# Allegro board SSOM_K1_Layout.brd (continued)
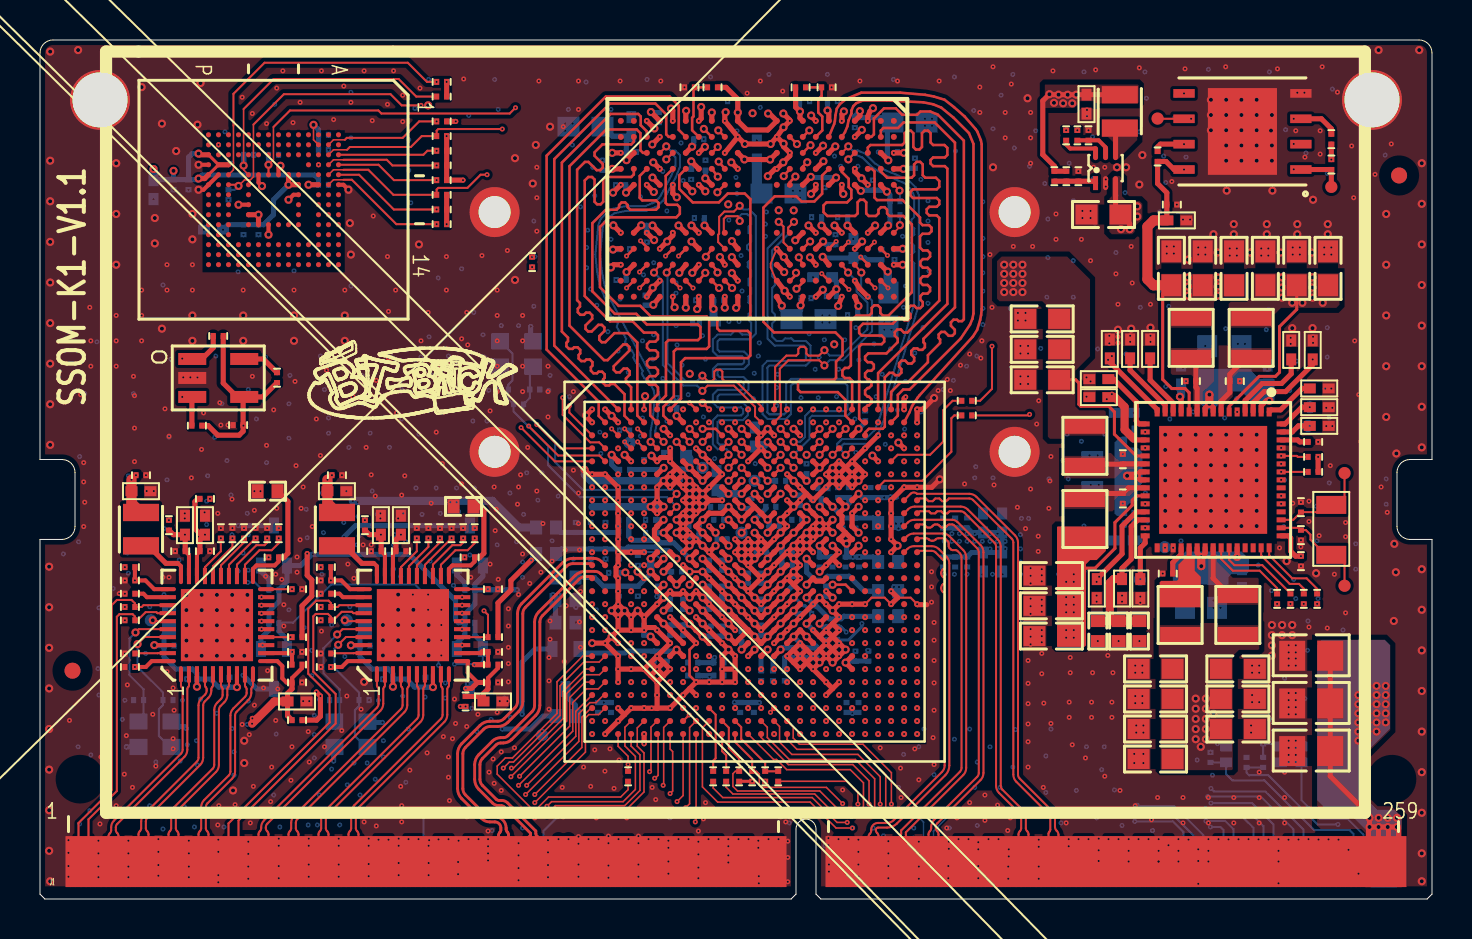
[diagram p0: board, top side]
## Routing (per net, layer and track width the routed paths; a pad name or vN(x,y) marks a point on that pad's centre or on a via; arc(x,y) is an arc through that point) (continued)
LCD_PWR_EN_1V8: length 11.3
  TOP w0.076: U1.AF8 32.16,5.18 v1(31.85,4.88)
  L3 w0.102: v1(31.85,4.88) v2(31.62,4.65)
  L5 w0.102: v2(36.68,1.83) 36.68,1.93 35.38,3.23 32.38,3.23 31.55,4.06 31.55,4.57 v2(31.62,4.65)
  L6 w0.102: v4(36.68,1.47) v2(36.68,1.83)
  BOTTOM w0.102: J1.142 v4(36.68,1.47)
LCD_RST_1V8: length 13
  TOP w0.076: U1.AE9 32.48,8.58 32.48,4.77 v1(32.28,4.57)
  L3 w0.102: v1(32.28,4.57) v2(32.05,4.34)
  L5 w0.102: v2(37.17,1.42) 37.17,1.97 35.74,3.4 32.52,3.4 32.05,3.87 v2(32.05,4.34)
  L6 w0.102: v4(37.17,1.07) v2(37.17,1.42)
  BOTTOM w0.102: J1.144 v4(37.17,1.07)
LCD_VCC5V0: length 3.2
  TOP w0.254: C158.1 55.51,25.98 56.66,24.83 U5.13
MIPI_DSI1_CLKN: length 13.9
  TOP w0.102: J1.111 v1(28.93,3)
  L3 w0.102: v8(27.61,13.46) 27.56,13.41 27.39,13.41 25.8,11.82 arc(25.69,11.66) 25.65,11.46 25.65,7.53 arc(25.69,7.33) 25.8,7.17 28.98,3.99 arc(29.04,3.9) 29.06,3.8 29.06,3.21 arc(29.04,3.14) 29,3.07 v1(28.93,3)
MIPI_DSI1_CLKP: length 14.2
  TOP w0.102: J1.113 v1(29.42,3)
  L3 w0.102: v8(28.26,13.46) 28.11,13.31 arc(27.96,13.21) 27.78,13.18 27.49,13.18 25.97,11.66 arc(25.91,11.57) 25.89,11.46 25.89,7.53 arc(25.91,7.42) 25.97,7.33 29.14,4.16 arc(29.25,3.99) 29.29,3.8 29.29,3.21 arc(29.31,3.14) 29.35,3.07 v1(29.42,3)
MIPI_DSI1_D0N: length 14.5
  TOP w0.102: J1.123 v1(31.93,3)
  L3 w0.102: v8(29.56,12.16) 29.55,12.16 29.55,12.06 29.21,11.71 arc(29.12,11.65) 29.01,11.63 27.92,11.63 arc(27.73,11.59) 27.56,11.48 27.12,11.05 arc(27.01,10.88) 26.97,10.69 26.97,8.19 arc(27.01,7.99) 27.12,7.83 31.46,3.49 arc(31.59,3.4) 31.75,3.37 31.93,3.37 arc(32.02,3.34) 32.06,3.25 32.06,3.21 arc(32.04,3.14) 32,3.07 v1(31.93,3)
MIPI_DSI1_D0P: length 14.8
  TOP w0.102: J1.125 v1(32.42,3)
  L3 w0.102: v1(32.42,3) 32.35,3.07 arc(32.31,3.14) 32.29,3.21 32.29,3.25 arc(32.19,3.5) 31.93,3.61 31.75,3.61 arc(31.68,3.62) 31.62,3.66 27.29,7.99 arc(27.23,8.08) 27.21,8.19 27.21,10.69 arc(27.23,10.79) 27.29,10.88 27.73,11.32 arc(27.82,11.38) 27.92,11.4 29.01,11.4 arc(29.21,11.44) 29.37,11.55 29.63,11.8 arc(29.71,11.86) 29.8,11.88 29.82,11.88 arc(29.91,11.89) 29.99,11.95 v8(30.21,12.16)
MIPI_DSI1_D1N: length 15
  TOP w0.102: J1.117 v1(30.42,3)
  L3 w0.102: v8(29.56,12.81) 29.51,12.76 29.28,12.76 arc(29.08,12.72) 28.92,12.61 28.73,12.42 arc(28.64,12.37) 28.54,12.34 27.62,12.34 arc(27.42,12.31) 27.26,12.2 26.46,11.4 arc(26.35,11.24) 26.31,11.04 26.31,7.88 arc(26.35,7.69) 26.46,7.52 30.47,3.51 arc(30.53,3.43) 30.55,3.32 30.55,3.2 arc(30.54,3.13) 30.49,3.07 v1(30.42,3)
MIPI_DSI1_D1P: length 15.3
  TOP w0.102: J1.119 v1(30.93,3)
  L3 w0.102: v8(30.21,12.81) 30.06,12.66 arc(29.91,12.56) 29.73,12.53 29.28,12.53 arc(29.17,12.5) 29.08,12.44 28.9,12.26 arc(28.73,12.15) 28.54,12.11 27.62,12.11 arc(27.51,12.09) 27.42,12.03 26.63,11.24 arc(26.57,11.15) 26.55,11.04 26.55,7.88 arc(26.57,7.78) 26.63,7.69 30.64,3.68 arc(30.75,3.52) 30.78,3.32 30.78,3.23 arc(30.8,3.14) 30.85,3.07 v1(30.93,3)
MIPI_DSI1_D2N: length 14.6
  TOP w0.102: J1.105 v1(27.42,3)
  L3 w0.102: v1(27.42,3) 27.5,3.07 arc(27.54,3.13) 27.55,3.21 27.55,4.39 arc(27.53,4.49) 27.47,4.58 25.19,6.86 arc(25.08,7.03) 25.04,7.22 25.04,11.83 arc(25.08,12.02) 25.19,12.19 26.93,13.92 arc(27.08,14.02) 27.26,14.06 27.56,14.06 v8(27.61,14.11)
MIPI_DSI1_D2P: length 15
  TOP w0.102: J1.107 v1(27.93,3)
  L3 w0.102: v8(28.26,14.11) 28.11,13.96 arc(27.96,13.86) 27.78,13.83 27.26,13.83 arc(27.17,13.81) 27.1,13.76 25.36,12.02 arc(25.3,11.93) 25.28,11.83 25.28,7.22 arc(25.3,7.12) 25.36,7.03 27.64,4.75 arc(27.75,4.58) 27.79,4.39 27.79,3.22 arc(27.8,3.14) 27.85,3.07 v1(27.93,3)
MIPI_DSI1_D3N: length 16
  TOP w0.102: J1.99 v1(25.93,3)
  L3 w0.102: v8(27.61,14.76) 27.56,14.71 26.95,14.71 arc(26.76,14.67) 26.59,14.56 24.53,12.5 arc(24.42,12.34) 24.38,12.14 24.38,7.02 arc(24.42,6.82) 24.53,6.66 26.8,4.39 arc(26.87,4.22) 26.8,4.04 26.08,3.32 26.08,3.23 arc(26.07,3.16) 26.03,3.1 v1(25.93,3)
MIPI_DSI1_D3P: length 16.4
  TOP w0.102: J1.101 v1(26.42,3)
  L3 w0.102: v8(28.26,14.76) 28.11,14.61 arc(27.96,14.51) 27.78,14.48 26.95,14.48 arc(26.85,14.45) 26.76,14.39 24.7,12.34 arc(24.64,12.25) 24.62,12.14 24.62,7.02 arc(24.64,6.91) 24.7,6.82 26.96,4.56 arc(27.1,4.22) 26.96,3.87 26.31,3.23 26.35,3.07 v1(26.42,3)
MIPI_LCD_ADC_1V8: length 39.5
  L3 w0.102: v2(64.57,5.44) 64.62,5.49 64.62,12.5 66.09,13.97 66.09,19.96 65.38,20.68 62.55,20.68 v1(62.06,20.18)
  L5 w0.102: v2(64.57,5.44) 63.91,5.44 59.87,1.4 50.11,1.4 v2(48.54,2.97)
  L6 w0.102: v4(48.16,2.97) v2(48.54,2.97)
  BOTTOM w0.102: v4(48.16,2.97) 48.17,2.96 J1.180
ONKEYN: length 18.5
  L3 w0.102: v2(62.48,21.64) 62.34,21.78 v1(62.06,21.78)
  L6 w0.102: v4(58.52,7.34) 59.41,7.34 59.79,7.72 59.79,9.75 64.31,14.27 64.31,19.81 v2(62.48,21.64)
PA_SHUTDOWN: length 27.9
  L3 w0.102: v2(44.1,13.86) 43.86,14.11 v1(43.86,14.11)
  L6 w0.102: v2(44.1,13.86) 44.24,14.01 v3(44.45,14.01)
  L7 w0.102: v6(58.55,5.54) 57.28,6.81 57.28,10.92 54.19,14.01 v3(44.45,14.01)
  BOTTOM w0.102: v6(58.55,5.54) 58.7,5.38 61.26,5.38 63.17,3.47 J1.240
PCIEB_CLKREQN: length 17.1
  TOP w0.076: v1(24.33,5.69) 26.79,8.15 26.79,9.39 U1.AC1
  L3 w0.076: v1(24.33,5.69) 23.75,5.11 23.75,2.63 24.4,1.98 29.67,1.98 v2(30.12,1.52)
  L6 w0.102: v2(30.12,1.52) 30.17,1.47 v4(30.17,1.14)
  BOTTOM w0.102: J1.116 v4(30.17,1.14)
PCIEB_PERSTN: length 16.8
  TOP w0.076: v1(24.74,5.23) 27.09,7.59 27.09,9.1 27.55,9.56 U1.AD1
  L3 w0.076: v1(24.74,5.23) 24.16,4.65 24.16,2.85 24.72,2.29 30.53,2.29 31.17,1.64 v2(31.17,1.22)
  L6 w0.102: v2(31.17,1.22) v4(31.17,1.57)
  BOTTOM w0.102: J1.120 v4(31.17,1.57)
PCIEB_REFCLK_N: length 19.4
  TOP w0.102: U1.L26 43.91,18.06 44.3,18.06 arc(44.38,18.05) 44.44,18 44.46,17.99 arc(44.52,17.95) 44.59,17.93 44.64,17.93 arc(44.71,17.95) 44.77,17.99 44.79,18 arc(44.85,18.05) 44.92,18.06 45.16,18.06 arc(45.23,18.05) 45.29,18 45.4,17.9 arc(45.43,17.86) 45.44,17.81 45.44,17.74 45.44,17.66 arc(45.44,17.61) 45.47,17.57 45.54,17.5 arc(45.58,17.47) 45.63,17.46 45.78,17.46 arc(45.83,17.45) 45.87,17.43 46,17.3 arc(46.06,17.21) 46.08,17.11 46.08,6.57 arc(46.05,6.46) 46,6.37 43.06,3.43 43.06,3.26 arc(43.04,3.19) 43,3.12 42.98,3.11 arc(42.94,3.04) 42.92,2.96 J1.159
PCIEB_REFCLK_P: length 20.3
  TOP w0.102: J1.161 43.42,2.92 arc(43.41,3) 43.37,3.07 43.35,3.08 arc(43.31,3.15) 43.29,3.22 43.29,3.34 46.16,6.21 arc(46.27,6.37) 46.31,6.57 46.31,17.11 arc(46.27,17.3) 46.16,17.47 45.46,18.17 arc(45.32,18.26) 45.16,18.29 43.68,18.29 arc(43.5,18.26) 43.35,18.16 U1.L25
PCIEB_RX0N: length 20.4
  TOP w0.102: J1.165 44.42,3.24 arc(44.44,3.32) 44.48,3.39 44.5,3.4 arc(44.54,3.47) 44.56,3.55 44.56,3.61 arc(44.6,3.8) 44.71,3.97 46.86,6.12 arc(46.92,6.21) 46.94,6.31 46.94,17.36 arc(46.92,17.47) 46.86,17.56 45.71,18.71 arc(45.66,18.74) 45.61,18.75 45.47,18.75 arc(45.43,18.74) 45.39,18.72 45.35,18.67 45.3,18.62 arc(45.26,18.6) 45.22,18.59 45.11,18.59 arc(45.07,18.6) 45.03,18.62 44.99,18.67 44.94,18.72 arc(44.91,18.74) 44.86,18.75 44.75,18.75 arc(44.71,18.74) 44.67,18.72 44.63,18.67 44.58,18.62 arc(44.55,18.6) 44.5,18.59 44.39,18.59 arc(44.35,18.6) 44.31,18.62 44.27,18.67 44.22,18.72 arc(44.19,18.74) 44.14,18.75 43.99,18.75 arc(43.94,18.74) 43.9,18.71 43.85,18.66 U1.K26
PCIEB_RX0P: length 21.3
  TOP w0.102: J1.167 44.92,3.24 arc(44.91,3.32) 44.87,3.39 44.85,3.4 arc(44.81,3.47) 44.79,3.55 44.79,3.61 arc(44.81,3.71) 44.87,3.8 47.02,5.95 arc(47.13,6.12) 47.17,6.31 47.17,17.36 arc(47.13,17.56) 47.02,17.72 45.87,18.87 arc(45.75,18.95) 45.61,18.98 43.72,18.98 arc(43.54,18.95) 43.39,18.85 U1.K25
PCIEB_RX1N: length 18.8
  TOP w0.102: U1.M26 43.92,17.43 44.59,17.43 arc(44.69,17.41) 44.78,17.35 45.17,16.96 arc(45.22,16.89) 45.23,16.8 45.23,16.7 arc(45.21,16.6) 45.15,16.51 45.12,16.48 arc(45.08,16.41) 45.06,16.32 45.06,16.3 arc(45.08,16.22) 45.12,16.15 45.17,16.1 arc(45.22,16.03) 45.23,15.95 45.23,15.93 arc(45.22,15.84) 45.17,15.77 45.12,15.73 arc(45.08,15.66) 45.06,15.57 45.06,15.55 arc(45.08,15.47) 45.12,15.4 45.15,15.37 arc(45.21,15.28) 45.23,15.18 45.23,6.69 arc(45.2,6.51) 45.1,6.36 42.68,3.94 arc(42.53,3.84) 42.36,3.81 41.91,3.81 arc(41.66,3.71) 41.56,3.46 41.56,3.42 arc(41.54,3.34) 41.5,3.27 41.48,3.26 arc(41.44,3.19) 41.42,3.11 J1.153
PCIEB_RX1P: length 19.7
  TOP w0.102: J1.155 41.92,3.15 arc(41.91,3.23) 41.87,3.3 41.85,3.31 arc(41.81,3.38) 41.79,3.45 41.79,3.46 arc(41.83,3.54) 41.91,3.58 42.36,3.58 arc(42.62,3.63) 42.84,3.78 45.26,6.2 arc(45.41,6.42) 45.47,6.69 45.47,16.8 arc(45.43,16.98) 45.33,17.13 44.95,17.51 arc(44.78,17.62) 44.59,17.66 43.71,17.66 arc(43.52,17.63) 43.37,17.52 U1.M25
PCIEB_TX0N: length 20.8
  TOP w0.102: J1.177 v1(47.42,3)
  L3 w0.102: v8(41.91,18.01) 41.96,18.06 43.15,18.06 arc(43.25,18.04) 43.33,17.98 43.35,17.97 arc(43.43,17.91) 43.53,17.89 43.59,17.89 arc(43.69,17.91) 43.77,17.97 43.79,17.98 arc(43.87,18.04) 43.98,18.06 44.06,18.06 arc(44.16,18.04) 44.25,17.98 44.26,17.97 arc(44.35,17.91) 44.45,17.89 44.5,17.89 arc(44.6,17.91) 44.69,17.97 44.7,17.98 arc(44.79,18.04) 44.89,18.06 45.39,18.06 arc(45.49,18.04) 45.58,17.98 46.86,16.7 arc(46.92,16.61) 46.94,16.51 46.94,8.29 arc(46.98,8.09) 47.09,7.93 47.47,7.55 arc(47.53,7.46) 47.55,7.35 47.55,3.2 arc(47.53,3.13) 47.49,3.07 v1(47.42,3)
PCIEB_TX0P: length 21.7
  TOP w0.102: J1.179 v1(47.92,3)
  L3 w0.102: v8(41.26,18.01) 41.4,18.16 arc(41.55,18.26) 41.73,18.29 45.39,18.29 arc(45.58,18.25) 45.75,18.14 47.02,16.87 arc(47.13,16.7) 47.17,16.51 47.17,8.29 arc(47.19,8.18) 47.25,8.09 47.63,7.71 arc(47.74,7.55) 47.78,7.35 47.78,3.23 arc(47.8,3.15) 47.85,3.08 v1(47.92,3)
PCIEB_TX1N: length 19.8
  TOP w0.102: J1.171 v1(45.92,3)
  L3 w0.102: v1(45.92,3) 46,3.07 arc(46.04,3.14) 46.06,3.21 46.06,3.28 arc(46.1,3.47) 46.21,3.64 46.66,4.09 arc(46.72,4.17) 46.74,4.28 46.74,7.05 arc(46.72,7.15) 46.66,7.24 46.28,7.62 arc(46.17,7.79) 46.13,7.98 46.13,16.24 arc(46.11,16.35) 46.05,16.44 45.53,16.95 arc(45.44,17.01) 45.34,17.03 44.93,17.03 arc(44.83,17.01) 44.74,16.96 44.73,16.94 arc(44.65,16.89) 44.54,16.87 44.5,16.87 arc(44.4,16.89) 44.32,16.94 44.3,16.96 arc(44.22,17.01) 44.12,17.03 44.03,17.03 arc(43.93,17.01) 43.85,16.96 43.83,16.94 arc(43.75,16.89) 43.65,16.87 43.63,16.87 arc(43.53,16.89) 43.45,16.94 43.43,16.96 arc(43.35,17.01) 43.24,17.03 42.78,17.03 arc(42.59,17.07) 42.42,17.18 42.24,17.37 arc(42.19,17.4) 42.14,17.41 41.96,17.41 v8(41.91,17.36)
PCIEB_TX1P: length 20.7
  TOP w0.102: J1.173 v1(46.42,3)
  L3 w0.102: v8(41.26,17.36) 41.4,17.51 arc(41.55,17.61) 41.73,17.64 42.14,17.64 arc(42.28,17.62) 42.4,17.53 42.59,17.35 arc(42.68,17.29) 42.78,17.27 45.34,17.27 arc(45.53,17.23) 45.7,17.12 46.21,16.6 arc(46.32,16.44) 46.36,16.24 46.36,7.98 arc(46.38,7.88) 46.44,7.79 46.82,7.41 arc(46.93,7.24) 46.97,7.05 46.97,4.28 arc(46.93,4.08) 46.82,3.92 46.37,3.47 arc(46.31,3.38) 46.29,3.28 46.29,3.21 arc(46.31,3.14) 46.35,3.07 v1(46.42,3)
PCIEB_WAKEN: length 17.8
  TOP w0.076: v1(24.74,4.83) 27.27,7.36 27.27,9.06 27.44,9.23 27.93,9.23 U1.AD2
  L3 w0.076: v2(31.7,1.37) 31.7,1.42 30.68,2.44 24.86,2.44 24.36,2.94 24.36,4.45 v1(24.74,4.83)
  L6 w0.102: v2(31.7,1.37) 31.7,1.04 v4(31.67,1.02)
  BOTTOM w0.102: J1.122 v4(31.67,1.02)
PCIEC_CLKREQN: length 34.6
  TOP w0.102: J1.217 v1(57.42,2.98)
  L3 w0.102: v1(57.42,2.98) v2(57.81,2.98) ; v1(41.26,12.81) v2(41.5,12.56)
  L6 w0.102: v3(60.66,3.71) 60.66,3.05 60.4,2.79 57.99,2.79 v2(57.81,2.98) ; v2(41.5,12.56) v3(41.75,12.81)
  L7 w0.102: v3(41.75,12.81) 42.14,13.2 42.14,13.77 43.71,15.34 55.17,15.34 60.66,9.85 v3(60.66,3.71)
PCIEC_PERSTN: length 18
  TOP w0.076: v1(24.28,5.23) 26.94,7.89 26.94,9.28 27.49,9.83 27.81,9.83 28.18,10.21 U1.AC2
  L3 w0.076: v2(30.67,1.47) 30.67,1.68 30.23,2.13 24.53,2.13 23.95,2.72 23.95,4.9 v1(24.28,5.23)
  L6 w0.102: v4(30.67,1.12) v2(30.67,1.47)
  BOTTOM w0.102: J1.118 v4(30.67,1.12)
PCIEC_REFCLK_N: length 25.1
  TOP w0.102: J1.201 v1(53.42,3)
  L3 w0.102: v8(41.91,19.31) 41.96,19.36 42.27,19.36 arc(42.36,19.34) 42.44,19.29 42.46,19.27 arc(42.53,19.22) 42.62,19.2 42.64,19.2 arc(42.72,19.22) 42.79,19.27 42.82,19.3 arc(42.89,19.34) 42.98,19.36 43,19.36 arc(43.08,19.34) 43.16,19.3 43.18,19.27 arc(43.26,19.22) 43.34,19.2 43.36,19.2 arc(43.44,19.22) 43.52,19.27 43.54,19.29 arc(43.62,19.34) 43.71,19.36 46.24,19.36 arc(46.34,19.34) 46.43,19.28 48.4,17.31 arc(48.46,17.22) 48.48,17.11 48.48,8.93 arc(48.52,8.73) 48.63,8.57 53.46,3.74 arc(53.52,3.65) 53.54,3.55 53.54,3.18 arc(53.53,3.12) 53.49,3.06 v1(53.42,3)
PCIEC_REFCLK_P: length 26
  TOP w0.102: J1.203 v1(53.92,3)
  L3 w0.102: v8(41.26,19.31) 41.4,19.46 arc(41.55,19.56) 41.73,19.59 46.24,19.59 arc(46.43,19.55) 46.6,19.44 48.57,17.47 arc(48.68,17.31) 48.72,17.11 48.72,8.93 arc(48.74,8.82) 48.8,8.73 53.62,3.91 arc(53.73,3.74) 53.77,3.55 53.77,3.25 arc(53.79,3.16) 53.84,3.08 v1(53.92,3)
PCIEC_RX0N: length 22.8
  TOP w0.102: U1.H26 43.91,20.01 arc(43.95,20.04) 44,20.05 44.29,20.05 44.36,19.98 44.43,19.91 44.63,19.91 44.7,19.98 44.77,20.05 44.97,20.05 45.04,19.98 45.11,19.91 45.31,19.91 45.38,19.98 45.45,20.05 46.46,20.05 arc(46.56,20.03) 46.65,19.97 48.59,18.04 arc(48.65,17.95) 48.67,17.84 48.67,6.23 arc(48.71,6.04) 48.82,5.87 50.44,4.25 arc(50.49,4.16) 50.52,4.06 50.52,3.47 arc(50.51,3.42) 50.48,3.38 50.46,3.37 arc(50.43,3.32) 50.42,3.27 J1.189
PCIEC_RX0P: length 23.7
  TOP w0.102: J1.191 50.92,3.21 arc(50.9,3.32) 50.84,3.41 50.83,3.42 arc(50.77,3.51) 50.75,3.62 50.75,4.06 arc(50.71,4.25) 50.6,4.42 48.98,6.04 arc(48.92,6.13) 48.9,6.23 48.9,17.84 arc(48.86,18.04) 48.75,18.2 46.82,20.13 arc(46.65,20.25) 46.46,20.28 43.85,20.28 arc(43.69,20.35) 43.53,20.28 U1.H25
PCIEC_RX1N: length 21.2
  TOP w0.102: U1.J26 43.91,19.37 arc(43.96,19.4) 44.02,19.41 44.45,19.41 44.5,19.36 44.5,19.36 44.55,19.3 44.75,19.3 44.81,19.36 44.81,19.36 44.86,19.41 45.06,19.41 45.12,19.36 45.12,19.36 45.17,19.3 45.37,19.3 45.43,19.36 45.43,19.36 45.48,19.41 46.03,19.41 arc(46.14,19.39) 46.23,19.33 47.72,17.83 arc(47.78,17.75) 47.8,17.64 47.8,5.67 arc(47.84,5.48) 47.95,5.31 48.98,4.29 arc(49.04,4.2) 49.06,4.09 49.06,3.54 arc(49.04,3.47) 49,3.4 48.98,3.39 arc(48.94,3.32) 48.92,3.24 J1.183
PCIEC_RX1P: length 22.1
  TOP w0.102: U1.J25 43.4,19.5 arc(43.55,19.61) 43.74,19.64 46.03,19.64 arc(46.23,19.6) 46.39,19.49 47.89,18 arc(48,17.83) 48.04,17.64 48.04,5.67 arc(48.06,5.57) 48.12,5.48 49.14,4.45 arc(49.25,4.29) 49.29,4.09 49.29,3.54 arc(49.31,3.47) 49.35,3.4 49.37,3.39 arc(49.41,3.32) 49.42,3.24 J1.185
PCIEC_TX0N: length 26.7
  TOP w0.102: J1.207 v1(54.92,3)
  L3 w0.102: v1(54.92,3) 55.01,3.08 arc(55.05,3.14) 55.06,3.2 55.06,3.22 arc(55.05,3.28) 55.01,3.33 49.45,8.9 arc(49.34,9.06) 49.3,9.26 49.3,17.37 arc(49.28,17.47) 49.22,17.56 46.85,19.93 arc(46.76,19.99) 46.65,20.01 43.58,20.01 43.5,19.94 43.43,19.86 43.23,19.86 43.15,19.94 43.08,20.01 42.88,20.01 42.8,19.94 42.73,19.86 42.53,19.86 42.45,19.94 42.38,20.01 41.96,20.01 v8(41.91,19.96)
PCIEC_TX0P: length 27.5
  TOP w0.102: J1.209 v1(55.42,3)
  L3 w0.102: v8(41.26,19.96) 41.4,20.11 arc(41.55,20.21) 41.73,20.24 46.65,20.24 arc(46.85,20.2) 47.01,20.09 49.38,17.73 arc(49.49,17.56) 49.53,17.37 49.53,9.26 arc(49.55,9.15) 49.61,9.06 55.18,3.5 arc(55.26,3.37) 55.29,3.22 55.29,3.21 arc(55.31,3.14) 55.35,3.07 v1(55.42,3)
PCIEC_TX1N: length 23.6
  TOP w0.102: J1.195 v1(51.92,3)
  L3 w0.102: v1(51.92,3) 52,3.07 arc(52.04,3.14) 52.06,3.21 52.06,3.91 arc(52.04,4.02) 51.98,4.11 47.87,8.21 arc(47.76,8.38) 47.72,8.57 47.72,16.81 arc(47.7,16.91) 47.64,17 46.01,18.63 arc(45.92,18.69) 45.82,18.71 43.43,18.71 43.37,18.65 43.32,18.59 43.11,18.59 43.05,18.65 43,18.71 42.79,18.71 42.73,18.65 42.68,18.59 42.47,18.59 42.41,18.65 42.36,18.71 41.96,18.71 v8(41.91,18.66)
PCIEC_TX1P: length 24.5
  TOP w0.102: J1.197 v1(52.42,3)
  L3 w0.102: v1(52.42,3) 52.35,3.07 arc(52.31,3.14) 52.29,3.21 52.29,3.91 arc(52.25,4.11) 52.14,4.27 48.04,8.38 arc(47.98,8.47) 47.96,8.57 47.96,16.81 arc(47.92,17) 47.81,17.17 46.18,18.79 arc(46.01,18.9) 45.82,18.94 41.73,18.94 arc(41.55,18.91) 41.4,18.81 v8(41.26,18.66)
PCIEC_WAKEN: length 114.9
  TOP w0.102: J1.213 v1(56.42,2.69)
  L3 w0.102: v2(20.95,28.78) 22.35,27.38 22.91,27.38 25.78,24.51 26.16,24.51 28.04,22.63 28.83,22.63 v1(28.91,22.56) ; v1(56.42,2.69) v2(56.42,2.24)
  L6 w0.102: v2(56.42,2.24) 56.73,1.93 60.96,1.93 61.67,2.64 61.67,5.99 62,6.32 62,10.82 65.15,13.97 65.15,36.67 60.9,40.92 19.06,40.92 17.65,39.52 17.65,32.08 v2(20.95,28.78)
PHY0_AVDD10: length 8.7
  TOP w0.203: U10.38 15.57,12.71 15.56,12.7 v5(15.54,12.7) ; U10.3 v5(17.65,10.63) ; U10.8 v5(19.65,10.61)
  BOTTOM w0.254: C239.1 15.56,12.68 v5(15.54,12.7) ; C239.1 16,12.12 16.61,11.52 17.42,11.52 17.64,11.29 C228.1 ; C239.1 16,13.25 FB14.1 ; v5(17.65,10.63) 17.64,10.63 C228.1 ; C228.1 18.33,11.01 18.74,10.61 C238.1 19.64,10.61 v5(19.65,10.61)
PHY0_AVDD33: length 10.2
  TOP w0.203: 21.87,10.84 21.39,11.33 21.39,11.86 21.33,11.91 U10.11 ; U10.40 15.39,11.91 15.09,11.62 v1(14.54,11.62) ; C244.2 22.4,11.06 22.9,11.56 R112.1
  TOP w0.254: R144.1 21.92,10.14 C243.1 22.17,10.29 22.4,10.51 C244.2 21.87,10.84 21.57,10.54 v1(21.29,10.54)
  L3 w0.254: v2(20.88,10.54) v1(21.29,10.54) ; v1(14.54,11.62) v2(15.6,11.62)
  L3 w0.406: v2(14.3,17.63) 14.3,16.87 v1(14.04,16.61)
PHY0_CLKOUT125: length 1.1
  TOP w0.102: U10.35 15.28,13.91 v5(15.24,13.95)
  BOTTOM w0.102: TP95.1 v5(15.24,13.95)
PHY0_DVDD10: length 5.3
  TOP w0.203: C240.2 21.73,16.9 21.53,16.7 20.62,16.7 20.45,16.53 U10.21
  TOP w0.254: C240.2 21.99,17.1 22.19,17.31 22.19,19.43 21.97,19.65 FB15.1
PHY0_DVDD33: length 10
  TOP w0.203: C233.2 17.25,17.22 U10.29
  TOP w0.254: C233.2 17.06,18.23 v1(17.05,18.24) 16.47,18.24 R145.1
  L2 w0.254: v7(14.04,13.95) v8(14.54,13.95)
  L3 w0.406: v1(17.05,18.24) 17.05,14.76 16.81,14.53 14.94,14.53 14.54,14.14 v8(14.54,13.95)
PHY0_LED0/CFG_EXT: length 1.7
  TOP w0.203: U10.32 15.15,15.11 14.97,15.28 R157.1
PHY0_LED1/CFG_LDO0: length 18.4
  TOP w0.102: J1.33 9.42,3.79 14.48,8.84 14.48,10.21 13.41,11.28 13.41,14.53 13.82,14.94 14.43,14.94 14.54,14.82 R159.1 14.88,14.62 14.97,14.71 U10.33
PHY0_LED2/CFG_LDO1: length 17.8
  TOP w0.102: U10.34 15.67,14.31 15.6,14.38 15.09,14.38 14.66,13.95 R152.2 14.54,14.13 14.4,14.27 13.78,14.27 13.67,14.15 13.67,11.38 14.78,10.26 14.78,8.79 9.93,3.93 J1.35
PHY0_MDI0+: length 11.8
  TOP w0.102: U10.1 16.85,10.7 arc(16.86,10.65) 16.88,10.61 16.9,10.6 arc(16.92,10.56) 16.93,10.52 16.93,9.78 arc(16.91,9.67) 16.85,9.58 11.2,3.94 arc(11.1,3.78) 11.06,3.59 11.06,3.54 arc(11.04,3.47) 11,3.4 10.98,3.39 arc(10.94,3.32) 10.93,3.24 J1.39
PHY0_MDI0-: length 11.8
  TOP w0.102: J1.41 11.42,3.24 arc(11.41,3.32) 11.37,3.39 11.35,3.4 arc(11.31,3.47) 11.29,3.54 11.29,3.59 arc(11.31,3.69) 11.37,3.77 17.01,9.42 arc(17.12,9.58) 17.16,9.78 17.16,10.52 arc(17.17,10.56) 17.2,10.6 17.21,10.61 arc(17.24,10.65) 17.25,10.7 U10.2
PHY0_MDI1+: length 11.7
  TOP w0.102: U10.4 18.05,10.7 arc(18.06,10.65) 18.08,10.61 18.1,10.6 arc(18.12,10.56) 18.13,10.52 18.13,9.71 arc(18.11,9.6) 18.05,9.51 12.71,4.17 arc(12.6,4.01) 12.56,3.81 12.56,3.55 arc(12.54,3.47) 12.5,3.4 12.48,3.39 arc(12.44,3.32) 12.42,3.24 J1.45
PHY0_MDI1-: length 11.7
  TOP w0.102: U10.5 18.45,10.7 arc(18.44,10.65) 18.41,10.61 18.4,10.6 arc(18.37,10.56) 18.36,10.52 18.36,9.71 arc(18.32,9.51) 18.21,9.35 12.87,4.01 arc(12.81,3.92) 12.79,3.81 12.79,3.55 arc(12.81,3.47) 12.85,3.4 12.87,3.39 arc(12.91,3.32) 12.93,3.24 J1.47
PHY0_MDI2+: length 11.4
  TOP w0.102: U10.6 18.85,10.7 arc(18.86,10.65) 18.88,10.61 18.9,10.6 arc(18.92,10.56) 18.93,10.52 18.93,9.21 arc(18.91,9.11) 18.85,9.02 14.21,4.38 arc(14.1,4.21) 14.06,4.02 14.06,3.54 arc(14.04,3.47) 14,3.4 13.98,3.39 arc(13.94,3.32) 13.93,3.24 J1.51
PHY0_MDI2-: length 11.4
  TOP w0.102: U10.7 19.25,10.7 arc(19.24,10.65) 19.21,10.61 19.2,10.6 arc(19.17,10.56) 19.16,10.52 19.16,9.21 arc(19.12,9.02) 19.01,8.85 14.37,4.21 arc(14.31,4.12) 14.29,4.02 14.29,3.54 arc(14.31,3.47) 14.35,3.4 14.37,3.39 arc(14.41,3.32) 14.42,3.24 J1.53
PHY0_MDI3+: length 11.3
  TOP w0.102: U10.9 20.05,10.7 arc(20.06,10.65) 20.08,10.61 20.1,10.6 arc(20.12,10.56) 20.13,10.52 20.13,9.22 arc(20.11,9.12) 20.05,9.03 15.71,4.68 arc(15.6,4.52) 15.56,4.32 15.56,3.55 arc(15.54,3.47) 15.5,3.4 15.48,3.39 arc(15.44,3.32) 15.42,3.24 J1.57
PHY0_MDI3-: length 11.3
  TOP w0.102: J1.59 15.93,3.24 arc(15.91,3.32) 15.87,3.39 15.85,3.4 arc(15.81,3.47) 15.79,3.55 15.79,4.32 arc(15.81,4.43) 15.87,4.52 20.21,8.86 arc(20.32,9.03) 20.36,9.22 20.36,10.52 arc(20.37,10.56) 20.4,10.6 20.41,10.61 arc(20.44,10.65) 20.45,10.7 U10.10
PHY0_NINT_3V3: length 11.5
  TOP w0.203: U10.31 15.51,15.51 15.07,15.95 v1(14.54,15.95) R116.2
  L3 w0.406: v2(14.96,17.88) 14.96,16.37 v1(14.54,15.95)
  L6 w0.254: v4(15.2,18.12) v2(14.96,17.88)
  BOTTOM w0.254: v4(15.2,18.12) 15.77,18.69 Q10.3
PHY0_NRST_3V3: length 4.6
  TOP w0.203: C241.2 R112.2 ; 22.05,12.32 22.04,12.31 U10.12
  TOP w0.254: 22.05,12.32 22.1,12.37 C241.2 ; R112.2 v7(21.72,11.73)
  L2 w0.254: v7(21.72,11.73) v8(21.19,11.73)
  L3 w0.254: v8(21.19,11.73) 21.19,11.13 v2(21.11,11.05)
  L6 w0.254: v4(21.39,10.77) v2(21.11,11.05)
  BOTTOM w0.254: v4(21.39,10.77) 21.49,10.66 Q9.3
PHY0_REG_OUT: length 2.9
  TOP w0.203: U10.30 16.85,16.66 16.71,16.8 16.67,16.8
  TOP w0.254: L10.1 15.22,17.68 16.1,16.8 16.67,16.8
PHY0_RSET: length 1.7
  TOP w0.102: R97.2 14.56,12.3 15.68,12.3 15.69,12.31 U10.39
PHY0_VDD1V0: length 17.4
  TOP w0.254: v1(14.37,20.99) v1(14.6,21.22)
  TOP w0.508: v1(14.37,20.99) C236.1 14.37,19.83 L10.2
  L3 w0.406: v2(16.46,15.04) 16.46,17.58 14.43,19.61 14.43,21.05 v1(14.6,21.22) 14.6,21.46 14.93,21.79 18.59,21.79 v1(20.52,19.86) v1(20.83,19.86)
  L6 w0.254: v2(16.46,15.04) 16.26,14.83 v4(16.26,14.68) 16.25,14.68 v4(16.25,14.38)
PHY0_VDDIO: length 6.7
  TOP w0.203: C235.2 17.65,17.26 U10.28
  TOP w0.254: v1(18.05,18.24) 17.8,17.99 C235.2
  L3 w0.406: v1(21.74,18.56) 21.74,18.78 21.48,19.03 18.63,19.03 18.05,18.45 v1(18.05,18.24)
PHY0_XTALIN: length 6.5
  TOP w0.102: v5(14.86,13.24) 15.13,13.51 U10.36
  BOTTOM w0.102: Y3.3 14.98,9.14 C230.2 14.98,10.5 ; 14.98,10.5 14.99,10.49 ; 14.98,10.5 14.17,11.31 14.17,12.56 v5(14.86,13.24)
PHY0_XTALOUT: length 7.5
  TOP w0.102: U10.37 16.18,13.12 15.3,13.12 v5(14.91,12.73)
  BOTTOM w0.102: Y3.1 16.29,7.61 15.74,8.16 15.74,9.45 15.96,9.66 C229.2 15.96,10.34 14.73,11.57 14.73,12.54 v5(14.91,12.73)
PHY1_AVDD10: length 8.7
  TOP w0.203: U11.38 v5(5.72,12.71) ; U11.8 v5(9.85,10.61) ; U11.3 v5(7.85,10.63)
  BOTTOM w0.254: v5(7.85,10.63) 7.84,10.63 C261.1 ; C261.1 7.84,11.29 7.62,11.52 6.81,11.52 6.2,12.12 C251.1 ; C261.1 8.53,11.01 8.94,10.61 C262.1 9.85,10.61 v5(9.85,10.61) ; v5(5.72,12.71) 5.74,12.68 C251.1 ; FB16.1 6.2,13.25 C251.1
PHY1_AVDD33: length 23
  TOP w0.203: U11.40 5.59,11.91 5.29,11.62 v1(4.74,11.62) ; R172.1 13.1,11.56 12.6,11.06 C267.2 12.32,10.84 12.12,11.05 12.12,11.66 11.87,11.91 U11.11
  TOP w0.254: R204.1 12.38,9.18 C266.1 12.38,10.29 12.6,10.52 C267.2 ; v1(10.62,9.04) 10.87,9.04
  TOP w0.406: v1(10.6,8.78) 11.72,9.89 C266.1
  L3 w0.254: v1(10.6,8.78) 10.62,8.79 v1(10.62,9.04)
  L3 w0.406: v1(10.6,8.78) 7.58,8.78 v1(4.74,11.62) 4.18,11.62 3.45,12.34 3.45,15.85 4.22,16.61 v1(4.24,16.61)
PHY1_CLKOUT125: length 0.9
  TOP w0.102: U11.35 5.68,13.91 v5(5.64,13.95)
  BOTTOM w0.102: TP96.1 v5(5.64,13.95)
PHY1_DVDD10: length 5.9
  TOP w0.203: U11.21 10.65,16.53 10.82,16.7 11.73,16.7 11.93,16.9 C263.2
  TOP w0.254: FB17.1 12.4,19.9 12.4,17.31 12.19,17.1 C263.2
PHY1_DVDD33: length 8.8
  TOP w0.203: C256.2 7.45,17.22 U11.29
  TOP w0.254: C256.2 7.26,18.23 v1(7.25,18.24) 6.67,18.24 R206.1
  L3 w0.406: v1(7.25,18.24) 6.81,18.24 5.59,17.02 5.59,15.3 v1(4.24,13.95)
PHY1_LED0/CFG_EXT: length 1.7
  TOP w0.203: R219.1 5.17,15.28 5.35,15.11 U11.32
PHY1_LED1/CFG_LDO0: length 16.7
  TOP w0.102: J1.3 1.93,3.8 3.59,5.47 3.59,14.71 3.84,14.97 4.58,14.97 4.74,14.8 R221.1 5.08,14.62 5.18,14.71 U11.33
PHY1_LED2/CFG_LDO1: length 15.9
  TOP w0.102: U11.34 5.87,14.31 5.82,14.36 5.28,14.36 4.88,13.95 R211.2 4.74,14.14 4.63,14.26 3.97,14.26 3.84,14.13 3.84,5.4 2.42,3.99 J1.5
PHY1_MDI0+: length 10.9
  TOP w0.102: J1.9 3.42,3.14 arc(3.44,3.22) 3.48,3.28 3.5,3.3 arc(3.54,3.36) 3.56,3.44 3.56,3.59 arc(3.59,3.77) 3.7,3.92 7.05,7.28 arc(7.11,7.37) 7.13,7.47 7.13,10.52 arc(7.12,10.56) 7.1,10.6 7.08,10.61 arc(7.06,10.65) 7.05,10.7 U11.1
PHY1_MDI0-: length 10.9
  TOP w0.102: U11.2 7.45,10.7 arc(7.44,10.65) 7.41,10.61 7.4,10.6 arc(7.37,10.56) 7.36,10.52 7.36,7.47 arc(7.33,7.28) 7.22,7.11 3.86,3.76 arc(3.81,3.68) 3.79,3.59 3.79,3.46 arc(3.81,3.38) 3.85,3.31 3.87,3.3 arc(3.91,3.23) 3.93,3.15 J1.11
PHY1_MDI1+: length 10.7
  TOP w0.102: J1.15 4.93,3.24 arc(4.94,3.32) 4.98,3.39 5,3.4 arc(5.04,3.47) 5.06,3.54 5.06,3.88 arc(5.1,4.08) 5.21,4.24 7.84,6.88 arc(7.9,6.97) 7.92,7.07 7.92,9.7 arc(7.96,9.89) 8.07,10.06 8.25,10.23 arc(8.31,10.32) 8.33,10.43 8.33,10.52 arc(8.32,10.56) 8.3,10.6 8.28,10.61 arc(8.26,10.65) 8.25,10.7 U11.4
PHY1_MDI1-: length 10.7
  TOP w0.102: J1.17 5.42,3.24 arc(5.41,3.32) 5.37,3.39 5.35,3.4 arc(5.31,3.47) 5.29,3.54 5.29,3.88 arc(5.31,3.99) 5.37,4.08 8.01,6.71 arc(8.12,6.88) 8.16,7.07 8.16,9.7 arc(8.18,9.8) 8.24,9.89 8.42,10.07 arc(8.53,10.23) 8.57,10.43 8.57,10.52 arc(8.57,10.56) 8.6,10.6 8.61,10.61 arc(8.64,10.65) 8.65,10.7 U11.5